# Altium PCB SX-SCPCB-015.PCB-V1.1_信号显示D类功放PCB板.PcbDoc (part 2 of 2)
Units mil, origin at the board's own origin, x right, y up, seen from the top; angles counter-clockwise.
Board outline 9212.6 x 3779.53 mil, 2 copper layers (Top Layer, Bottom Layer); 144 components, 77 nets, 427 pads, 5 vias.
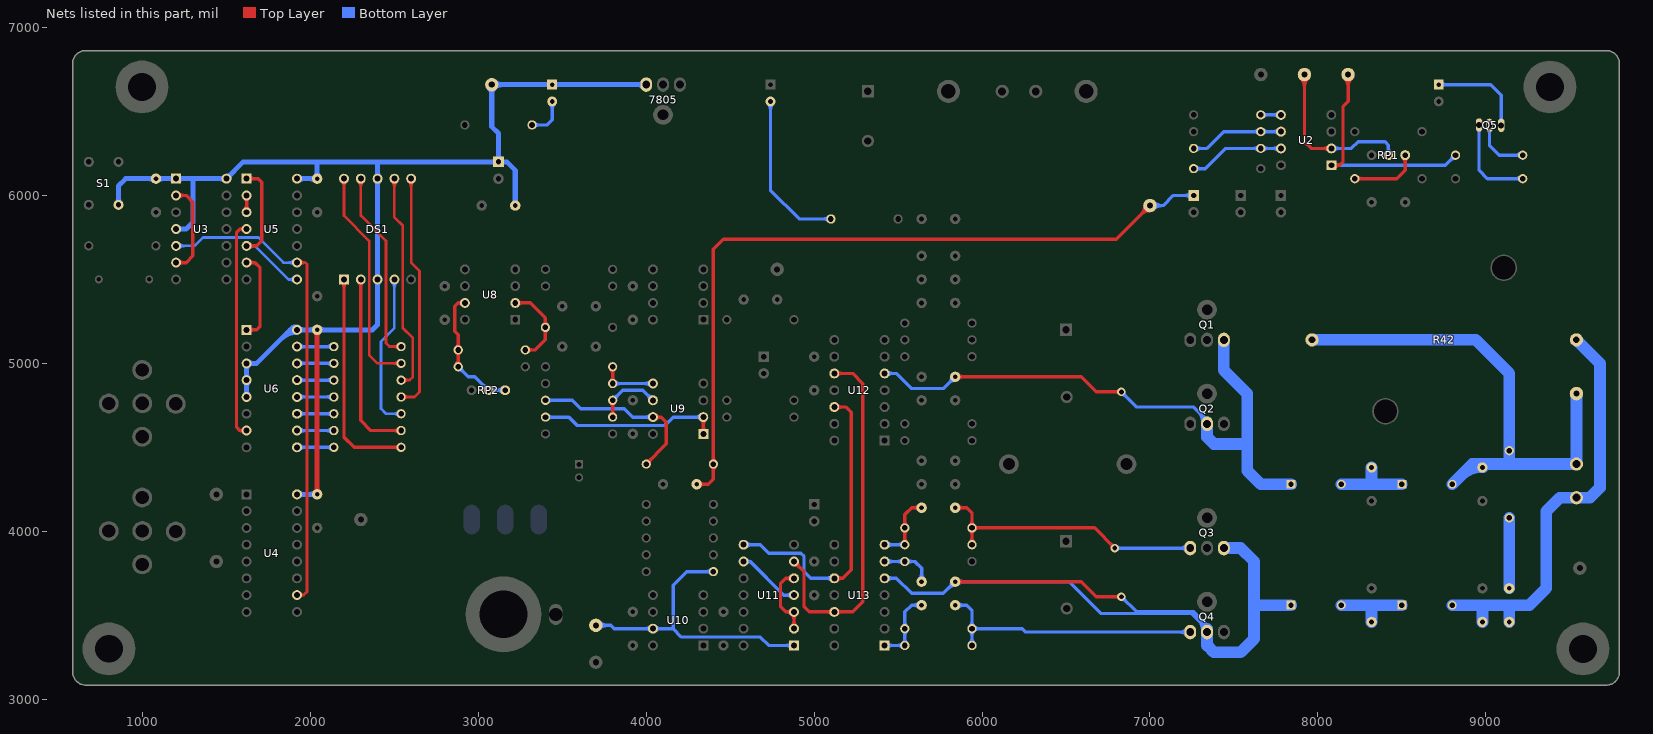
[diagram p2: the nets of this part, all layers, seen from the top]

## Via types
v1: diameter 50, hole 28, Top Layer to Bottom Layer, 5 vias

## Nets (pads, with @x,y where several pads share a name; then routed paths per layer and width w, separated by ;. In a path a pad name is that pad's centre, name@x,y a point inside that pad or via, vN(x,y) a via of type N, cw(c..) or ccw(c..) an arc to the next point about the centre after c; other vN are vias at no path point) (continued)
NetC34_1: C34.1 D8.2 R39.1 U13.7 | length 836.6
  Top Layer w20: D8.2@5527.58,3932.42 ccw(c5497.61,3962.39) 5540,3962.39 ccw(c5582.39,3962.39) D8.2@5552.42,3932.42 ; R39.1@5527.58,4007.58 cw(c5497.61,3977.61) 5540,3977.61 cw(c5582.39,3977.61) R39.1@5552.42,4007.58 ; R39.1@5527.58,4032.42 ccw(c5497.61,4062.39) 5540,4062.39 ccw(c5582.39,4062.39) R39.1@5552.42,4032.42 ; D8.2@5540,3920 5540,4100 5580,4140 C34.1@5640,4140 ; C34.1@5625.15,4125.15 ccw(c5589.3,4089.3) 5589.3,4140 ccw(c5589.3,4190.7) C34.1@5625.15,4154.85
  Bottom Layer w20: U13.7@5420,3920 D8.2@5540,3920 ; U13.7@5433.81,3906.19 cw(c5467.14,3872.86) 5467.14,3920 cw(c5467.14,3967.14) U13.7@5433.81,3933.81 ; D8.2@5527.58,3907.58 ccw(c5497.61,3877.61) 5497.61,3920 ccw(c5497.61,3962.39) D8.2@5527.58,3932.42
NetC34_2: C34.2 D8.1 Q3.1 R39.2 | length 2208.3
  Top Layer w20: C34.2@5840,4140 5910,4140 5940,4110 D8.1@5940,3920 ; C34.2@5854.85,4125.15 cw(c5890.7,4089.3) 5890.7,4140 cw(c5890.7,4190.7) C34.2@5854.85,4154.85 ; D8.1@5927.58,3932.42 ccw(c5897.61,3962.39) 5940,3962.39 ccw(c5982.39,3962.39) D8.1@5952.42,3932.42 ; R39.2@5927.58,4007.58 cw(c5897.61,3977.61) 5940,3977.61 cw(c5982.39,3977.61) 5952.42,4007.58 cw(c5982.39,3977.61) 5982.39,4020 cw(c5982.39,4062.39) 5952.42,4032.42 cw(c5982.39,4062.39) 5940,4062.39 cw(c5897.61,4062.39) R39.2@5927.58,4032.42 ; R39.2@5940,4020 6670,4020 v1(6790,3900) ; v1@6775,3900 ccw(c6738.79,3900) 6764.39,3925.61 ccw(c6790,3951.21) v1@6790,3915
  Bottom Layer w20: v1(6790,3900) Q3.1@7240,3900 ; v1@6800.61,3889.39 cw(c6826.21,3863.79) 6826.21,3900 cw(c6826.21,3936.21) v1@6800.61,3910.61 ; Q3.1@7222.02,3882.02 ccw(c7178.6,3838.6) 7178.6,3900 ccw(c7178.6,3961.4) Q3.1@7222.02,3917.98
NetC35_1: C35.1 D9.2 U13.6 | length 603.4
  Bottom Layer w20: U13.6@5420,3820 5600,3820 5640,3780 C35.1@5640,3700 ; U13.6@5433.81,3806.19 cw(c5467.14,3772.86) 5467.14,3820 cw(c5467.14,3867.14) U13.6@5433.81,3833.81 ; D9.2@5527.58,3807.58 ccw(c5497.61,3777.61) 5497.61,3820 ccw(c5497.61,3862.39) D9.2@5527.58,3832.42 ; D9.2@5552.42,3807.58 cw(c5582.39,3777.61) 5582.39,3820 cw(c5582.39,3862.39) D9.2@5552.42,3832.42 ; C35.1@5625.15,3714.85 ccw(c5589.3,3750.7) 5640,3750.7 ccw(c5690.7,3750.7) C35.1@5654.85,3714.85
NetC36_1: C36.1 D10.2 R40.1 U13.1 | length 856.6
  Bottom Layer w20: U13.1@5420,3320 R40.1@5540,3320 5540,3520 5580,3560 C36.1@5640,3560 ; U13.1@5433.81,3306.19 cw(c5467.14,3272.86) 5467.14,3320 cw(c5467.14,3367.14) U13.1@5433.81,3333.81 ; R40.1@5527.58,3307.58 ccw(c5497.61,3277.61) 5497.61,3320 ccw(c5497.61,3362.39) 5527.58,3332.42 ccw(c5497.61,3362.39) 5540,3362.39 ccw(c5582.39,3362.39) R40.1@5552.42,3332.42 ; D10.2@5527.58,3407.58 cw(c5497.61,3377.61) 5540,3377.61 cw(c5582.39,3377.61) D10.2@5552.42,3407.58 ; D10.2@5527.58,3432.42 ccw(c5497.61,3462.39) 5540,3462.39 ccw(c5582.39,3462.39) D10.2@5552.42,3432.42 ; C36.1@5625.15,3545.15 ccw(c5589.3,3509.3) 5589.3,3560 ccw(c5589.3,3610.7) C36.1@5625.15,3574.85
NetC36_2: C36.2 D10.1 Q4.1 R40.2 | length 2073.1
  Bottom Layer w20: C36.2@5840,3560 5910,3560 5940,3530 R40.2@5940,3320 ; C36.2@5854.85,3545.15 cw(c5890.7,3509.3) 5890.7,3560 cw(c5890.7,3610.7) C36.2@5854.85,3574.85 ; R40.2@5927.58,3332.42 ccw(c5897.61,3362.39) 5940,3362.39 ccw(c5982.39,3362.39) R40.2@5952.42,3332.42 ; D10.1@5927.58,3407.58 cw(c5897.61,3377.61) 5940,3377.61 cw(c5982.39,3377.61) 5952.42,3407.58 cw(c5982.39,3377.61) 5982.39,3420 cw(c5982.39,3462.39) 5952.42,3432.42 cw(c5982.39,3462.39) 5940,3462.39 cw(c5897.61,3462.39) D10.1@5927.58,3432.42 ; D10.1@5940,3420 6240,3420 6260,3400 Q4.1@7240,3400 ; Q4.1@7222.02,3382.02 ccw(c7178.6,3338.6) 7178.6,3400 ccw(c7178.6,3461.4) Q4.1@7222.02,3417.98
NetC46_1: C46.1 L1.2 L3.1 | length 460
  Bottom Layer w70: L1.2@8140,4280 L3.1@8500,4280 ; 8320,4280 C46.1@8320,4380
NetC47_1: C47.1 L2.2 L4.1 | length 460
  Bottom Layer w70: L2.2@8140,3560 L4.1@8500,3560 ; C47.1@8320,3460 8320,3560
NetC48_1: C48.1 JP2.2 L3.2 R41.1 R42.1 TP13.1 | length 3353.1
  Bottom Layer w70: R42.1@7965.2,5140 8940,5140 9140,4940 9140,4400 ; L3.2@8800,4280 8920,4400 JP2.2@9540,4400 TP13.1@9540,4820 ; 8850.26,4330.26 cw(c8980,4200.52) C48.1@8980,4384 ; 8880,4360 cw(c8949.84,4290.17) C48.1@8981.27,4383.79 ; 8941.37,4400 cw(c8941.37,4341.37) C48.1@8982.83,4382.83 ; C48.1@8977.17,4382.83 cw(c9018.63,4341.37) 9018.63,4400
NetC49_1: C49.1 C50.2 JP2.1 L4.2 R42.2 | length 2577.4
  Bottom Layer w70: L4.2@8800,3560 9260,3560 9360,3660 9360,4120 9440,4200 9620,4200 9680,4260 9680,5000 R42.2@9540,5140 ; C49.1@8980,3460 8980,3560 ; C50.2@9140,3460 9140,3560
NetC50_1: C50.1 R41.2 | length 420
  Bottom Layer w70: C50.1@9140,3660 R41.2@9140,4080
NetD1_2: D1.2 R1.2 | length 1101.1
  Bottom Layer w20: D1.2@4726.19,6546.19 cw(c4692.86,6512.86) 4740,6512.86 cw(c4787.14,6512.86) D1.2@4753.81,6546.19 ; D1.2@4740,6560 4740,6030 4910,5860 R1.2@5100,5860 ; R1.2@5087.58,5847.58 ccw(c5057.61,5817.61) 5057.61,5860 ccw(c5057.61,5902.39) R1.2@5087.58,5872.42
NetD2_2: D2.2 R2.2 | length 383.1
  Bottom Layer w20: R2.2@3320,6420 3410,6420 3440,6450 D2.2@3440,6560 ; R2.2@3332.42,6407.58 cw(c3362.39,6377.61) 3362.39,6420 cw(c3362.39,6462.39) R2.2@3332.42,6432.42 ; D2.2@3426.19,6546.19 cw(c3392.86,6512.86) 3440,6512.86 cw(c3487.14,6512.86) D2.2@3453.81,6546.19
NetD3_1: D3.1 R5.1 U2.7 | length 843.5
  Bottom Layer w20: D3.1@7260,6160 7330,6160 7450,6280 U2.7@7780,6280 ; D3.1@7272.42,6147.58 cw(c7302.39,6117.61) 7302.39,6160 cw(c7302.39,6202.39) D3.1@7272.42,6172.42 ; R5.1@7647.58,6267.58 ccw(c7617.61,6237.61) 7617.61,6280 ccw(c7617.61,6322.39) R5.1@7647.58,6292.42 ; R5.1@7672.42,6267.58 cw(c7702.39,6237.61) 7702.39,6280 cw(c7702.39,6322.39) R5.1@7672.42,6292.42 ; U2.7@7766.19,6266.19 ccw(c7732.86,6232.86) 7732.86,6280 ccw(c7732.86,6327.14) U2.7@7766.19,6293.81
NetD4_1: D4.1 Q5.3 | length 688.5
  Bottom Layer w20: D4.1@8720,6660 9030,6660 9092,6598 Q5.3@9092,6418 ; D4.1@8733.81,6646.19 cw(c8767.14,6612.86) 8767.14,6660 cw(c8767.14,6707.14) D4.1@8733.81,6673.81 ; Q5.3@9085.15,6444.53 ccw(c9068.62,6461.07) 9092,6461.07 ccw(c9115.38,6461.07) Q5.3@9098.85,6444.53
NetDS1_1: DS1.1 R15.2 | length 1445.5
  Top Layer w20: DS1.1@2186.19,5486.19 cw(c2152.86,5452.86) 2200,5452.86 cw(c2247.14,5452.86) DS1.1@2213.81,5486.19 ; DS1.1@2200,5500 2200,4560 2260,4500 R15.2@2540,4500 ; R15.2@2527.58,4487.58 ccw(c2497.61,4457.61) 2497.61,4500 ccw(c2497.61,4542.39) R15.2@2527.58,4512.42
NetDS1_2: DS1.2 R14.2 | length 1245.5
  Top Layer w20: DS1.2@2286.19,5486.19 cw(c2252.86,5452.86) 2300,5452.86 cw(c2347.14,5452.86) DS1.2@2313.81,5486.19 ; DS1.2@2300,5500 2300,4660 2360,4600 R14.2@2540,4600 ; R14.2@2527.58,4587.58 ccw(c2497.61,4557.61) 2497.61,4600 ccw(c2497.61,4642.39) R14.2@2527.58,4612.42
NetDS1_4: DS1.4 R13.2 | length 1091.4
  Bottom Layer w16: DS1.4@2484.78,5484.78 cw(c2448.03,5448.03) 2500,5448.03 cw(c2551.97,5448.03) DS1.4@2515.22,5484.78 ; DS1.4@2500,5500 2500,5210 2420,5130 2420,4730 2450,4700 R13.2@2540,4700 ; R13.2@2526.17,4686.17 ccw(c2492.78,4652.78) 2492.78,4700 ccw(c2492.78,4747.22) R13.2@2526.17,4713.83
NetDS1_6: DS1.6 R12.2 | length 1568.9
  Top Layer w16: R12.2@2540,4800 2620,4800 2650,4830 2650,5550 2600,5600 DS1.6@2600,6100 ; R12.2@2553.83,4786.17 cw(c2587.22,4752.78) 2587.22,4800 cw(c2587.22,4847.22) R12.2@2553.83,4813.83 ; DS1.6@2584.78,6084.78 cw(c2548.03,6048.03) 2600,6048.03 cw(c2651.97,6048.03) DS1.6@2615.22,6084.78
NetDS1_7: DS1.7 R11.2 | length 1459.7
  Top Layer w16: DS1.7@2484.78,6084.78 cw(c2448.03,6048.03) 2500,6048.03 cw(c2551.97,6048.03) DS1.7@2515.22,6084.78 ; DS1.7@2500,6100 2500,5870 2550,5820 2550,5210 2610,5150 2610,4920 2590,4900 R11.2@2540,4900 ; R11.2@2553.83,4886.17 cw(c2587.22,4852.78) 2587.22,4900 cw(c2587.22,4947.22) R11.2@2553.83,4913.83
NetDS1_9: DS1.9 R16.2 | length 1296.2
  Top Layer w16: DS1.9@2284.78,6084.78 cw(c2248.03,6048.03) 2300,6048.03 cw(c2351.97,6048.03) DS1.9@2315.22,6084.78 ; DS1.9@2300,6100 2300,5880 2450,5730 2450,5120 2470,5100 R16.2@2540,5100 ; R16.2@2526.17,5086.17 ccw(c2492.78,5052.78) 2492.78,5100 ccw(c2492.78,5147.22) R16.2@2526.17,5113.83
NetDS1_10: DS1.10 R17.2 | length 1478.7
  Top Layer w16: DS1.10@2184.78,6084.78 cw(c2148.03,6048.03) 2200,6048.03 cw(c2251.97,6048.03) DS1.10@2215.22,6084.78 ; DS1.10@2200,6100 2200,5880 2350,5730 2350,5050 2400,5000 R17.2@2540,5000 ; R17.2@2526.17,4986.17 ccw(c2492.78,4952.78) 2492.78,5000 ccw(c2492.78,5047.22) R17.2@2526.17,5013.83
NetQ5_1: Q5.1 R9.1 | length 654
  Bottom Layer w20: Q5.1@8953.15,6393.47 cw(c8936.62,6376.93) 8960,6376.93 cw(c8983.38,6376.93) Q5.1@8966.85,6393.47 ; Q5.1@8960,6420 8960,6150 9010,6100 R9.1@9220,6100 ; R9.1@9207.58,6087.58 ccw(c9177.61,6057.61) 9177.61,6100 ccw(c9177.61,6142.39) R9.1@9207.58,6112.42
NetQ5_2: Q5.2 R8.2 | length 445.3
  Bottom Layer w20: Q5.2@9015.15,6391.47 cw(c8998.62,6374.93) 9022,6374.93 cw(c9045.38,6374.93) Q5.2@9028.85,6391.47 ; Q5.2@9022,6418 9022,6298 9080,6240 R8.2@9220,6240 ; R8.2@9207.58,6227.58 ccw(c9177.61,6197.61) 9177.61,6240 ccw(c9177.61,6282.39) R8.2@9207.58,6252.42
NetR3_1: R3.1 R5.2 U2.6 | length 835.2
  Bottom Layer w20: R5.2@7260,6280 7340,6280 7440,6380 U2.6@7780,6380 ; R5.2@7272.42,6267.58 cw(c7302.39,6237.61) 7302.39,6280 cw(c7302.39,6322.39) R5.2@7272.42,6292.42 ; R3.1@7647.58,6367.58 ccw(c7617.61,6337.61) 7617.61,6380 ccw(c7617.61,6422.39) R3.1@7647.58,6392.42 ; R3.1@7672.42,6367.58 cw(c7702.39,6337.61) 7702.39,6380 cw(c7702.39,6422.39) R3.1@7672.42,6392.42 ; U2.6@7766.19,6366.19 ccw(c7732.86,6332.86) 7732.86,6380 ccw(c7732.86,6427.14) U2.6@7766.19,6393.81
NetR4_1: R4.1 U2.5 | length 260.6
  Bottom Layer w20: R4.1@7660,6480 U2.5@7780,6480 ; R4.1@7672.42,6467.58 cw(c7702.39,6437.61) 7702.39,6480 cw(c7702.39,6522.39) R4.1@7672.42,6492.42 ; U2.5@7766.19,6466.19 ccw(c7732.86,6432.86) 7732.86,6480 ccw(c7732.86,6527.14) U2.5@7766.19,6493.81
NetR7_1: R7.1 RP1.1 | length 551.4
  Top Layer w20: R7.1@8220,6100 8470,6100 8520,6150 RP1.1@8520,6240 ; R7.1@8232.42,6087.58 cw(c8262.39,6057.61) 8262.39,6100 cw(c8262.39,6142.39) R7.1@8232.42,6112.42 ; RP1.1@8506.19,6226.19 cw(c8472.86,6192.86) 8520,6192.86 cw(c8567.14,6192.86) RP1.1@8533.81,6226.19
NetR8_1: R8.1 TP7.1 U2.1 | length 1704
  Top Layer w20: U2.1@8080,6180 8130,6180 8150,6200 8150,6530 8180,6560 TP7.1@8180,6720 ; U2.1@8093.81,6166.19 cw(c8127.14,6132.86) 8127.14,6180 cw(c8127.14,6227.14) U2.1@8093.81,6193.81 ; TP7.1@8158.79,6698.79 cw(c8107.57,6647.57) 8180,6647.57 cw(c8252.43,6647.57) TP7.1@8201.21,6698.79
  Bottom Layer w20: U2.1@8080,6180 8760,6180 R8.1@8820,6240 ; U2.1@8093.81,6166.19 cw(c8127.14,6132.86) 8127.14,6180 cw(c8127.14,6227.14) U2.1@8093.81,6193.81 ; R8.1@8802.44,6240 cw(c8760.05,6240) 8790.02,6210.02 cw(c8820,6180.05) R8.1@8820,6222.44
NetR11_1: R11.1 U6.13 | length 360.6
  Bottom Layer w20: U6.13@1920,4900 R11.1@2140,4900 ; U6.13@1933.81,4886.19 cw(c1967.14,4852.86) 1967.14,4900 cw(c1967.14,4947.14) U6.13@1933.81,4913.81 ; R11.1@2127.58,4887.58 ccw(c2097.61,4857.61) 2097.61,4900 ccw(c2097.61,4942.39) R11.1@2127.58,4912.42
NetR12_1: R12.1 U6.12 | length 360.6
  Bottom Layer w20: U6.12@1920,4800 R12.1@2140,4800 ; U6.12@1933.81,4786.19 cw(c1967.14,4752.86) 1967.14,4800 cw(c1967.14,4847.14) U6.12@1933.81,4813.81 ; R12.1@2127.58,4787.58 ccw(c2097.61,4757.61) 2097.61,4800 ccw(c2097.61,4842.39) R12.1@2127.58,4812.42
NetR13_1: R13.1 U6.11 | length 360.6
  Bottom Layer w20: U6.11@1920,4700 R13.1@2140,4700 ; U6.11@1933.81,4686.19 cw(c1967.14,4652.86) 1967.14,4700 cw(c1967.14,4747.14) U6.11@1933.81,4713.81 ; R13.1@2127.58,4687.58 ccw(c2097.61,4657.61) 2097.61,4700 ccw(c2097.61,4742.39) R13.1@2127.58,4712.42
NetR14_1: R14.1 U6.10 | length 360.6
  Bottom Layer w20: U6.10@1920,4600 R14.1@2140,4600 ; U6.10@1933.81,4586.19 cw(c1967.14,4552.86) 1967.14,4600 cw(c1967.14,4647.14) U6.10@1933.81,4613.81 ; R14.1@2127.58,4587.58 ccw(c2097.61,4557.61) 2097.61,4600 ccw(c2097.61,4642.39) R14.1@2127.58,4612.42
NetR15_1: R15.1 U6.9 | length 360.6
  Bottom Layer w20: U6.9@1920,4500 R15.1@2140,4500 ; U6.9@1933.81,4486.19 cw(c1967.14,4452.86) 1967.14,4500 cw(c1967.14,4547.14) U6.9@1933.81,4513.81 ; R15.1@2127.58,4487.58 ccw(c2097.61,4457.61) 2097.61,4500 ccw(c2097.61,4542.39) R15.1@2127.58,4512.42
NetR16_1: R16.1 U6.15 | length 360.6
  Bottom Layer w20: U6.15@1920,5100 R16.1@2140,5100 ; U6.15@1933.81,5086.19 cw(c1967.14,5052.86) 1967.14,5100 cw(c1967.14,5147.14) U6.15@1933.81,5113.81 ; R16.1@2127.58,5087.58 ccw(c2097.61,5057.61) 2097.61,5100 ccw(c2097.61,5142.39) R16.1@2127.58,5112.42
NetR17_1: R17.1 U6.14 | length 360.6
  Bottom Layer w20: U6.14@1920,5000 R17.1@2140,5000 ; U6.14@1933.81,4986.19 cw(c1967.14,4952.86) 1967.14,5000 cw(c1967.14,5047.14) U6.14@1933.81,5013.81 ; R17.1@2127.58,4987.58 ccw(c2097.61,4957.61) 2097.61,5000 ccw(c2097.61,5042.39) R17.1@2127.58,5012.42
NetR20_1: R20.1 R22.1 U8.2 | length 765.5
  Top Layer w20: U8.2@3220,5360 3310,5360 3399.5,5270.5 3399.5,5139.5 3340,5080 R22.1@3280,5080 ; U8.2@3233.81,5346.19 cw(c3267.14,5312.86) 3267.14,5360 cw(c3267.14,5407.14) U8.2@3233.81,5373.81 ; R22.1@3292.42,5067.58 cw(c3322.39,5037.61) 3322.39,5080 cw(c3322.39,5122.39) R22.1@3292.42,5092.42 ; R20.1@3387.08,5202.08 cw(c3357.11,5172.11) 3399.5,5172.11 cw(c3441.89,5172.11) R20.1@3411.92,5202.08 ; R20.1@3387.08,5226.92 ccw(c3357.11,5256.89) 3399.5,5256.89 ccw(c3441.89,5256.89) R20.1@3411.92,5226.92
NetR21_2: R21.2 R22.2 RP2.2 RP2.3 U8.7 | length 1319.8
  Top Layer w20: R21.2@2867.58,4992.42 ccw(c2837.61,5022.39) 2880,5022.39 ccw(c2922.39,5022.39) R21.2@2892.42,4992.42 ; R22.2@2867.58,5067.58 cw(c2837.61,5037.61) 2880,5037.61 cw(c2922.39,5037.61) R22.2@2892.42,5067.58 ; R22.2@2867.58,5092.42 ccw(c2837.61,5122.39) 2880,5122.39 ccw(c2922.39,5122.39) R22.2@2892.42,5092.42 ; R21.2@2880,4980 2880,5170 2860,5190 2860,5340 2880,5360 ; U8.7@2904.6,5347.99 ccw(c2880,5328.8) 2880,5360 ; U8.7@2904.6,5372.01 cw(c2880,5391.2) 2880,5360 ; U8.7@2920,5360 2880,5360
  Bottom Layer w20: R21.2@2880,4962.44 cw(c2880,4920.05) 2909.98,4950.02 cw(c2939.95,4980) R21.2@2897.56,4980 ; R21.2@2880,4980 2940,4920 2980,4920 RP2.2@3060,4840 RP2.3@3160,4840 ; RP2.2@3040.47,4840 ccw(c2993.33,4840) 3026.66,4873.34 ccw(c3060,4906.67) RP2.2@3060,4859.53 ; RP2.2@3073.81,4826.19 cw(c3107.14,4792.86) 3107.14,4840 cw(c3107.14,4887.14) RP2.2@3073.81,4853.81 ; RP2.3@3146.19,4826.19 ccw(c3112.86,4792.86) 3112.86,4840 ccw(c3112.86,4887.14) RP2.3@3146.19,4853.81
NetR27_1: R27.1 U9.1 U9.2 | length 1370.2
  Top Layer w20: U9.1@4326.19,4593.81 ccw(c4292.86,4627.14) 4340,4627.14 ccw(c4387.14,4627.14) U9.1@4353.81,4593.81 ; U9.2@4326.19,4666.19 cw(c4292.86,4632.86) 4340,4632.86 cw(c4387.14,4632.86) U9.2@4353.81,4666.19 ; U9.1@4340,4580 U9.2@4340,4680
  Bottom Layer w16: 3590,4630 4110,4630
  Bottom Layer w20: R27.1@3400,4680 3540,4680 3590,4630 ; R27.1@3412.42,4667.58 cw(c3442.39,4637.61) 3442.39,4680 cw(c3442.39,4722.39) R27.1@3412.42,4692.42 ; 4110,4630 4160,4680 U9.2@4340,4680 ; U9.2@4326.19,4666.19 ccw(c4292.86,4632.86) 4292.86,4680 ccw(c4292.86,4727.14) U9.2@4326.19,4693.81
NetR27_2: R27.2 R30.1 U9.6 | length 663.5
  Top Layer w20: R27.2@3787.58,4692.42 ccw(c3757.61,4722.39) 3800,4722.39 ccw(c3842.39,4722.39) R27.2@3812.42,4692.42 ; R30.1@3787.58,4767.58 cw(c3757.61,4737.61) 3800,4737.61 cw(c3842.39,4737.61) R30.1@3812.42,4767.58 ; R27.2@3800,4680 R30.1@3800,4780
  Bottom Layer w20: R30.1@3800,4780 3860,4840 3980,4840 U9.6@4040,4780 ; R30.1@3800,4797.56 ccw(c3800,4839.95) 3829.98,4809.98 ccw(c3859.95,4780) R30.1@3817.56,4780 ; U9.6@4020.47,4780 ccw(c3973.33,4780) 4006.66,4813.34 ccw(c4040,4846.67) U9.6@4040,4799.53
NetR28_1: R28.1 R29.2 U9.5 | length 613.8
  Top Layer w20: R28.1@3787.58,4892.42 ccw(c3757.61,4922.39) 3800,4922.39 ccw(c3842.39,4922.39) R28.1@3812.42,4892.42 ; R29.2@3787.58,4967.58 cw(c3757.61,4937.61) 3800,4937.61 cw(c3842.39,4937.61) R29.2@3812.42,4967.58 ; R28.1@3800,4880 R29.2@3800,4980
  Bottom Layer w20: R28.1@3800,4880 U9.5@4040,4880 ; R28.1@3812.42,4867.58 cw(c3842.39,4837.61) 3842.39,4880 cw(c3842.39,4922.39) R28.1@3812.42,4892.42 ; U9.5@4026.19,4866.19 ccw(c3992.86,4832.86) 3992.86,4880 ccw(c3992.86,4927.14) U9.5@4026.19,4893.81
NetR30_2: R30.2 R31.1 U9.7 | length 1354.8
  Top Layer w20: R31.1@4000,4400 4120,4520 4120,4650 4090,4680 U9.7@4040,4680 ; R31.1@4000,4417.56 ccw(c4000,4459.95) 4029.98,4429.98 ccw(c4059.95,4400) R31.1@4017.56,4400 ; U9.7@4053.81,4666.19 cw(c4087.14,4632.86) 4087.14,4680 cw(c4087.14,4727.14) U9.7@4053.81,4693.81
  Bottom Layer w20: R30.2@3400,4780 3560,4780 3610,4730 3870,4730 3920,4680 U9.7@4040,4680 ; R30.2@3412.42,4767.58 cw(c3442.39,4737.61) 3442.39,4780 cw(c3442.39,4822.39) R30.2@3412.42,4792.42 ; U9.7@4026.19,4666.19 ccw(c3992.86,4632.86) 3992.86,4680 ccw(c3992.86,4727.14) U9.7@4026.19,4693.81
NetR36_1: R36.1 TP4.1 U10.7 U11.1 | length 2165.4
  Bottom Layer w16: 4210,3370 4680,3370
  Bottom Layer w20: TP4.1@3700,3440 3790,3440 3810,3420 4160,3420 ; TP4.1@3721.21,3418.79 cw(c3772.43,3367.57) 3772.43,3440 cw(c3772.43,3512.43) TP4.1@3721.21,3461.21 ; U10.7@4026.19,3406.19 ccw(c3992.86,3372.86) 3992.86,3420 ccw(c3992.86,3467.14) U10.7@4026.19,3433.81 ; U10.7@4053.81,3406.19 cw(c4087.14,3372.86) 4087.14,3420 cw(c4087.14,3467.14) U10.7@4053.81,3433.81 ; 4210,3370 4160,3420 ; R36.1@4387.58,3747.58 ccw(c4357.61,3717.61) 4357.61,3760 ccw(c4357.61,3802.39) R36.1@4387.58,3772.42 ; R36.1@4400,3760 4240,3760 4160,3680 4160,3420 ; 4680,3370 4730,3320 U11.1@4880,3320 ; U11.1@4866.19,3306.19 ccw(c4832.86,3272.86) 4832.86,3320 ccw(c4832.86,3367.14) U11.1@4866.19,3333.81
NetRP1_2: RP1.2 TP6.1 U2.2 | length 1337.3
  Top Layer w20: TP6.1@7898.79,6698.79 cw(c7847.57,6647.57) 7920,6647.57 cw(c7992.43,6647.57) TP6.1@7941.21,6698.79 ; TP6.1@7920,6720 7920,6320 7960,6280 U2.2@8080,6280 ; U2.2@8066.19,6266.19 ccw(c8032.86,6232.86) 8032.86,6280 ccw(c8032.86,6327.14) U2.2@8066.19,6293.81
  Bottom Layer w20: U2.2@8080,6280 8200,6280 8240,6320 8400,6320 8420,6300 RP1.2@8420,6240 ; U2.2@8093.81,6266.19 cw(c8127.14,6232.86) 8127.14,6280 cw(c8127.14,6327.14) U2.2@8093.81,6293.81 ; RP1.2@8406.19,6253.81 ccw(c8372.86,6287.14) 8420,6287.14 ccw(c8467.14,6287.14) RP1.2@8433.81,6253.81
NetU3_2: U3.2 U3.6 | length 701.2
  Top Layer w20: U3.6@1200,5600 1260,5600 1300,5640 1300,5960 1260,6000 U3.2@1200,6000 ; U3.6@1213.81,5586.19 cw(c1247.14,5552.86) 1247.14,5600 cw(c1247.14,5647.14) U3.6@1213.81,5613.81 ; U3.2@1213.81,5986.19 cw(c1247.14,5952.86) 1247.14,6000 cw(c1247.14,6047.14) U3.2@1213.81,6013.81
NetU3_5: U3.5 U4.10 U5.9 | length 3177.6
  Top Layer w16: U4.10@1920,3620 1960,3620 ; U5.9@1920,5600 1970,5600 ; U5.9@1935.64,5585.21 cw(c1970,5552.71) 1970,5600 ; U5.9@1935.64,5614.79 ccw(c1970,5647.29) 1970,5600 ; U4.10@1937.97,3608.14 cw(c1960,3593.6) 1960,3620 ; U4.10@1937.97,3631.86 ccw(c1960,3646.4) 1960,3620 ; 1960,3620 1980,3640 1980,5590 1970,5600
  Bottom Layer w16: U3.5@1200,5700 1310,5700 1360,5750 1690,5750 1840,5600 U5.9@1920,5600 ; U3.5@1215.22,5684.78 cw(c1251.97,5648.03) 1251.97,5700 cw(c1251.97,5751.97) U3.5@1215.22,5715.22 ; U5.9@1904.78,5584.78 ccw(c1868.03,5548.03) 1868.03,5600 ccw(c1868.03,5651.97) U5.9@1904.78,5615.22
NetU5_1: U5.1 U5.5 U5.8 | length 1235.5
  Top Layer w20: U5.5@1620,5700 1680,5700 1710,5730 1710,6080 1690,6100 U5.1@1620,6100 ; U5.5@1633.81,5686.19 cw(c1667.14,5652.86) 1667.14,5700 cw(c1667.14,5747.14) U5.5@1633.81,5713.81 ; U5.1@1633.81,6086.19 cw(c1667.14,6052.86) 1667.14,6100 cw(c1667.14,6147.14) U5.1@1633.81,6113.81
  Bottom Layer w16: U5.5@1620,5700 1670,5700 ; U5.5@1635.64,5685.21 cw(c1670,5652.71) 1670,5700 ; U5.5@1635.64,5714.79 ccw(c1670,5747.29) 1670,5700 ; U5.8@1904.36,5485.21 ccw(c1870,5452.71) 1870,5500 ; U5.8@1904.36,5514.79 cw(c1870,5547.29) 1870,5500 ; U5.8@1920,5500 1870,5500 ; 1670,5700 1870,5500
NetU5_2: U5.2 U5.3 | length 248.1
  Top Layer w20: U5.3@1606.19,5913.81 ccw(c1572.86,5947.14) 1620,5947.14 ccw(c1667.14,5947.14) U5.3@1633.81,5913.81 ; U5.2@1606.19,5986.19 cw(c1572.86,5952.86) 1620,5952.86 cw(c1667.14,5952.86) U5.2@1633.81,5986.19 ; U5.3@1620,5900 U5.2@1620,6000
NetU5_4: U5.4 U6.7 | length 1409.9
  Top Layer w20: U6.7@1604.6,4587.99 ccw(c1580,4568.8) 1580,4600 ; U6.7@1604.6,4612.01 cw(c1580,4631.2) 1580,4600 ; U5.4@1604.6,5787.99 ccw(c1580,5768.8) 1580,5800 ; U5.4@1604.6,5812.01 cw(c1580,5831.2) 1580,5800 ; U6.7@1620,4600 1580,4600 ; U5.4@1620,5800 1580,5800 ; 1580,4600 1560,4620 1560,5780 1580,5800
NetU5_6: U5.6 U6.1 | length 678.8
  Top Layer w20: U6.1@1620,5200 1680,5200 1700,5220 1700,5570 1670,5600 U5.6@1620,5600 ; U6.1@1633.81,5186.19 cw(c1667.14,5152.86) 1667.14,5200 cw(c1667.14,5247.14) U6.1@1633.81,5213.81 ; U5.6@1633.81,5586.19 cw(c1667.14,5552.86) 1667.14,5600 cw(c1667.14,5647.14) U5.6@1633.81,5613.81
NetU11_2: U11.2 U11.3 U11.5 | length 721.1
  Top Layer w20: U11.2@4866.19,3433.81 ccw(c4832.86,3467.14) 4880,3467.14 ccw(c4927.14,3467.14) U11.2@4893.81,3433.81 ; U11.3@4866.19,3533.81 cw(c4832.86,3567.14) 4832.86,3520 cw(c4832.86,3472.86) 4866.19,3506.19 cw(c4832.86,3472.86) 4880,3472.86 cw(c4927.14,3472.86) U11.3@4893.81,3506.19 ; U11.5@4866.19,3706.19 ccw(c4832.86,3672.86) 4832.86,3720 ccw(c4832.86,3767.14) U11.5@4866.19,3733.81 ; U11.2@4880,3420 U11.3@4880,3520 4830,3520 4800,3550 4800,3690 4830,3720 U11.5@4880,3720
NetU11_4: U11.4 U11.9 | length 513.6
  Bottom Layer w20: U11.9@4580,3820 4620,3820 ; U11.9@4595.4,3807.99 cw(c4620,3788.8) 4620,3820 ; U11.9@4595.4,3832.01 ccw(c4620,3851.2) 4620,3820 ; U11.4@4866.19,3606.19 ccw(c4832.86,3572.86) 4832.86,3620 ccw(c4832.86,3667.14) U11.4@4866.19,3633.81 ; U11.4@4880,3620 4820,3620 4620,3820
OUT1: C30.2 L1.1 Q1.3 Q2.2 U12.5 | length 4025.2
  Top Layer w20: C30.2@5840,4920 6590,4920 6680,4830 v1(6830,4830) ; C30.2@5854.85,4905.15 cw(c5890.7,4869.3) 5890.7,4920 cw(c5890.7,4970.7) C30.2@5854.85,4934.85 ; v1@6819.39,4819.39 ccw(c6793.79,4793.79) 6793.79,4830 ccw(c6793.79,4866.21) v1@6819.39,4840.61
  Bottom Layer w20: U12.5@5420,4940 5490,4940 5580,4850 5770,4850 C30.2@5840,4920 ; U12.5@5433.81,4926.19 cw(c5467.14,4892.86) 5467.14,4940 cw(c5467.14,4987.14) U12.5@5433.81,4953.81 ; C30.2@5819,4920 cw(c5768.3,4920) 5804.15,4884.15 cw(c5840,4848.3) C30.2@5840,4899 ; v1@6830,4815 cw(c6830,4778.79) 6855.61,4804.39 cw(c6881.21,4830) v1@6845,4830 ; v1(6830,4830) 6920,4740 7260,4740 7340,4660 Q2.2@7340,4640 ; 7288.01,4711.99 cw(c7223.89,4647.87) Q2.2@7314.57,4647.87 ; 7317.28,4682.72 ccw(c7340,4705.43) Q2.2@7340,4673.31
  Bottom Layer w70: Q2.2@7340,4640 7340,4560 7380,4520 7580,4520 ; Q1.3@7440,5140 7440,4960 7580,4820 7580,4360 7660,4280 L1.1@7840,4280
OUT2: C35.2 L2.1 Q3.3 Q4.2 U13.5 | length 5836.3
  Top Layer w20: C35.2@5840,3700 6590,3700 6680,3610 v1(6830,3610) ; C35.2@5854.85,3685.15 cw(c5890.7,3649.3) 5890.7,3700 cw(c5890.7,3750.7) C35.2@5854.85,3714.85 ; v1@6819.39,3599.39 ccw(c6793.79,3573.79) 6793.79,3610 ccw(c6793.79,3646.21) v1@6819.39,3620.61
  Bottom Layer w20: U13.5@5420,3720 5490,3720 5580,3630 5770,3630 C35.2@5840,3700 6520,3700 6710,3510 7250,3510 Q4.2@7340,3420 ; U13.5@5433.81,3706.19 cw(c5467.14,3672.86) 5467.14,3720 cw(c5467.14,3767.14) U13.5@5433.81,3733.81 ; C35.2@5819,3700 cw(c5768.3,3700) 5804.15,3664.15 cw(c5840,3628.3) C35.2@5840,3679 ; C35.2@5854.85,3685.15 cw(c5890.7,3649.3) 5890.7,3700 cw(c5890.7,3750.7) C35.2@5854.85,3714.85 ; v1@6830,3595 cw(c6830,3558.79) 6855.61,3584.39 cw(c6881.21,3610) v1@6845,3610 ; v1(6830,3610) 6920,3520 7260,3520 7340,3440 Q4.2@7340,3420 ; 7273.87,3506.13 cw(c7175.61,3407.87) 7314.57,3407.87 ccw(c7223.89,3407.87) 7288.01,3471.99 ; 7308.01,3471.99 cw(c7243.89,3407.87) Q4.2@7334.57,3407.87 ; 7317.28,3442.72 ccw(c7340,3465.43) Q4.2@7340,3433.31 ; Q4.2@7340,3400 Q4.2@7340,3420
  Bottom Layer w70: 7340,3340 Q4.2@7340,3420 ; Q4.2@7340,3400 7340,3320 7380,3280 7540,3280 7620,3360 7620,3820 7540,3900 Q3.3@7440,3900 ; 7620,3560 L2.1@7840,3560
"PWM A": U11.6 U12.10 U13.12 | length 2473.2
  Top Layer w20: U11.6@4880,3800.47 cw(c4880,3753.33) 4913.34,3786.66 cw(c4946.67,3820) U11.6@4899.53,3820 ; U11.6@4880,3820 4940,3760 4940,3550 4970,3520 5230,3520 5290,3580 5290,4880 5230,4940 U12.10@5120,4940 ; U13.12@5106.19,3506.19 ccw(c5072.86,3472.86) 5072.86,3520 ccw(c5072.86,3567.14) U13.12@5106.19,3533.81 ; U13.12@5133.81,3506.19 cw(c5167.14,3472.86) 5167.14,3520 cw(c5167.14,3567.14) U13.12@5133.81,3533.81 ; U12.10@5133.81,4926.19 cw(c5167.14,4892.86) 5167.14,4940 cw(c5167.14,4987.14) U12.10@5133.81,4953.81
"PWM B": U11.8 U12.12 U13.10 | length 2144.9
  Top Layer w20: U13.10@5120,3720 5170,3720 5220,3770 5220,4710 5190,4740 U12.12@5120,4740 ; U13.10@5133.81,3706.19 cw(c5167.14,3672.86) 5167.14,3720 cw(c5167.14,3767.14) U13.10@5133.81,3733.81 ; U12.12@5133.81,4726.19 cw(c5167.14,4692.86) 5167.14,4740 cw(c5167.14,4787.14) U12.12@5133.81,4753.81
  Bottom Layer w20: U11.8@4580,3920 4680,3920 4730,3870 4920,3870 4940,3850 4940,3760 4980,3720 U13.10@5120,3720 ; U11.8@4593.81,3906.19 cw(c4627.14,3872.86) 4627.14,3920 cw(c4627.14,3967.14) U11.8@4593.81,3933.81 ; U13.10@5106.19,3706.19 ccw(c5072.86,3672.86) 5072.86,3720 ccw(c5072.86,3767.14) U13.10@5106.19,3733.81
SING_D: C6.1 C19.1 R31.2 TP2.1 | length 4996.8
  Top Layer w20: C19.1@4300,4280 4370,4280 4400,4310 4400,5680 4460,5740 6800,5740 TP2.1@7000,5940 ; C19.1@4314.85,4265.15 cw(c4350.7,4229.3) 4350.7,4280 cw(c4350.7,4330.7) C19.1@4314.85,4294.85 ; R31.2@4387.58,4387.58 cw(c4357.61,4357.61) 4400,4357.61 cw(c4442.39,4357.61) R31.2@4412.42,4387.58 ; R31.2@4387.58,4412.42 ccw(c4357.61,4442.39) 4400,4442.39 ccw(c4442.39,4442.39) R31.2@4412.42,4412.42 ; TP2.1@6970,5940 cw(c6897.57,5940) 6948.79,5888.79 cw(c7000,5837.57) TP2.1@7000,5910
  Bottom Layer w20: TP2.1@7000,5940 7080,5940 7140,6000 C6.1@7260,6000 ; TP2.1@7021.21,5918.79 cw(c7072.43,5867.57) 7072.43,5940 cw(c7072.43,6012.43) TP2.1@7021.21,5961.21 ; C6.1@7244.8,5984.8 ccw(c7208.1,5948.1) 7208.1,6000 ccw(c7208.1,6051.9) C6.1@7244.8,6015.2
VCC: 7805.3 "TP8 +5V.1" C4.1 C5.2 C20.2 C21.2 C22.2 C23.2 D2.1 DS1.3 DS1.8 S1.1 U3.1 U3.4 U3.14 U4.16 U5.14 U6.3 U6.4 U6.5 U6.16 | length 10364.5
  Top Layer w30: C23.2@2028.69,4231.31 ccw(c2001.37,4258.63) 2040,4258.63 ccw(c2078.63,4258.63) C23.2@2051.31,4231.31 ; C22.2@2028.69,5188.69 cw(c2001.37,5161.37) 2040,5161.37 cw(c2078.63,5161.37) C22.2@2051.31,5188.69 ; C23.2@2040,4220 C22.2@2040,5200
  Bottom Layer w30: S1.1@846.56,5954.7 ccw(c820.95,5980.31) 857.17,5980.31 ccw(c893.38,5980.31) S1.1@867.77,5954.7 ; S1.1@857.16,5944.09 857.16,6057.16 900,6100 U3.14@1500,6100 1600,6200 3170,6200 3220,6150 C5.2@3220,5940 ; C20.2@1068.69,6088.69 ccw(c1041.37,6061.37) 1041.37,6100 ccw(c1041.37,6138.63) C20.2@1068.69,6111.31 ; C20.2@1091.31,6088.69 cw(c1118.63,6061.37) 1118.63,6100 cw(c1118.63,6138.63) C20.2@1091.31,6111.31 ; U3.1@1189.73,6089.73 ccw(c1164.93,6064.93) 1164.93,6100 ccw(c1164.93,6135.07) U3.1@1189.73,6110.27 ; U3.4@1200,5800 1260,5800 1300,5840 1300,6100 ; U3.4@1210.27,5789.73 cw(c1235.07,5764.93) 1235.07,5800 cw(c1235.07,5835.07) U3.4@1210.27,5810.27 ; U3.1@1210.27,6089.73 cw(c1235.07,6064.93) 1235.07,6100 cw(c1235.07,6135.07) U3.1@1210.27,6110.27 ; U3.14@1489.73,6089.73 ccw(c1464.93,6064.93) 1464.93,6100 ccw(c1464.93,6135.07) U3.14@1489.73,6110.27 ; U3.14@1500,6114.53 ccw(c1500,6149.6) 1524.8,6124.8 ccw(c1549.6,6100) U3.14@1514.53,6100 ; U6.5@1609.73,4810.27 ccw(c1584.93,4835.07) 1620,4835.07 ccw(c1655.07,4835.07) U6.5@1630.27,4810.27 ; U6.4@1609.73,4889.73 cw(c1584.93,4864.93) 1620,4864.93 cw(c1655.07,4864.93) U6.4@1630.27,4889.73 ; U6.4@1609.73,4910.27 ccw(c1584.93,4935.07) 1620,4935.07 ccw(c1655.07,4935.07) U6.4@1630.27,4910.27 ; U6.3@1609.73,4989.73 cw(c1584.93,4964.93) 1620,4964.93 cw(c1655.07,4964.93) 1630.27,4989.73 cw(c1655.07,4964.93) 1655.07,5000 cw(c1655.07,5035.07) U6.3@1630.27,5010.27 ; U6.5@1620,4800 U6.3@1620,5000 1680,5000 1880,5200 2370,5200 2400,5230 2400,6200 ; 1826.92,5146.92 cw(c1920,5053.83) U6.16@1920,5185.47 ; 1860,5180 cw(c1891.29,5148.71) U6.16@1912.9,5187.32 ; 1878.13,5198.13 cw(c1920,5156.26) U6.16@1920,5215.47 ; 1888.03,5208.03 cw(c1911.41,5184.65) U6.16@1927.56,5213.5 ; U6.16@1909.73,5189.73 ccw(c1884.93,5164.93) 1884.93,5200 ccw(c1884.93,5235.07) U6.16@1909.73,5210.27 ; U4.16@1920,4220 C23.2@2040,4220 ; U5.14@1920,6100 C21.2@2040,6100 2040,6200 ; U4.16@1930.27,4209.73 cw(c1955.07,4184.93) 1955.07,4220 cw(c1955.07,4255.07) U4.16@1930.27,4230.27 ; U6.16@1930.27,5189.73 cw(c1955.07,5164.93) 1955.07,5200 cw(c1955.07,5235.07) U6.16@1930.27,5210.27 ; U5.14@1930.27,6089.73 cw(c1955.07,6064.93) 1955.07,6100 cw(c1955.07,6135.07) U5.14@1930.27,6110.27 ; C23.2@2028.69,4208.69 ccw(c2001.37,4181.37) 2001.37,4220 ccw(c2001.37,4258.63) C23.2@2028.69,4231.31 ; C22.2@2028.69,5188.69 ccw(c2001.37,5161.37) 2001.37,5200 ccw(c2001.37,5238.63) C22.2@2028.69,5211.31 ; C21.2@2028.69,6088.69 ccw(c2001.37,6061.37) 2001.37,6100 ccw(c2001.37,6138.63) 2028.69,6111.31 ccw(c2001.37,6138.63) 2040,6138.63 ccw(c2078.63,6138.63) C21.2@2051.31,6111.31 ; C22.2@2051.31,5188.69 cw(c2078.63,5161.37) 2078.63,5200 cw(c2078.63,5238.63) C22.2@2051.31,5211.31 ; DS1.3@2389.73,5489.73 cw(c2364.93,5464.93) 2400,5464.93 cw(c2435.07,5464.93) DS1.3@2410.27,5489.73 ; DS1.3@2389.73,5510.27 ccw(c2364.93,5535.07) 2400,5535.07 ccw(c2435.07,5535.07) DS1.3@2410.27,5510.27 ; DS1.8@2389.73,6089.73 cw(c2364.93,6064.93) 2400,6064.93 cw(c2435.07,6064.93) DS1.8@2410.27,6089.73 ; DS1.8@2389.73,6110.27 ccw(c2364.93,6135.07) 2400,6135.07 ccw(c2435.07,6135.07) DS1.8@2410.27,6110.27 ; 3062.32,6642.32 cw(c3019.64,6599.64) 3080,6599.64 cw(c3140.36,6599.64) 3097.68,6642.32 cw(c3140.36,6599.64) 3140.36,6660 cw(c3140.36,6720.36) 3097.68,6677.68 ; 3080,6660 3080,6410 3120,6370 C4.1@3120,6200 ; 3090,6660 7805.3@4000,6660 ; C4.1@3108.34,6188.34 ccw(c3080.18,6160.18) 3080.18,6200 ccw(c3080.18,6239.82) 3108.34,6211.66 ccw(c3080.18,6239.82) 3120,6239.82 ccw(c3159.82,6239.82) 3131.66,6211.66 ccw(c3159.82,6239.82) 3159.82,6200 ccw(c3159.82,6160.18) C4.1@3131.66,6188.34 ; C5.2@3208.69,5951.31 ccw(c3181.37,5978.63) 3220,5978.63 ccw(c3258.63,5978.63) C5.2@3231.31,5951.31 ; D2.1@3429.73,6649.73 ccw(c3404.93,6624.93) 3404.93,6660 ccw(c3404.93,6695.07) D2.1@3429.73,6670.27 ; D2.1@3450.27,6649.73 cw(c3475.07,6624.93) 3475.07,6660 cw(c3475.07,6695.07) D2.1@3450.27,6670.27 ; 7805.3@3985.55,6645.55 ccw(c3950.67,6610.67) 3950.67,6660 ccw(c3950.67,6709.33) 7805.3@3985.55,6674.45
pads on no net: 7805.0 DS1.5 Q1.0 Q2.0 Q3.0 Q4.0 R42.0 RP4.0 S1.3 S1.4 U3.8 U3.9 U3.10 U3.11 U3.12 U3.13 U4.2 U4.4 U4.11 U4.12 U4.13 U4.14 U4.15 U5.10 U5.11 U5.12 U5.13 U7.5 U7.6 U7.7 U8.5 U8.6 U10.5 U10.6 U11.10 U11.11 U11.12 U11.13 U12.4 U12.8 U12.14 U13.4 U13.8 U13.14

## Polygon pours and split planes (outlines as drawn)
GND on Top Layer "T" (solid, remove dead copper, pour order 1000): 663.46,3083.46 cw(c663.46,3163.46) 583.46,3163.46 583.46,6784.25 cw(c662.2,6784.25) 662.2,6862.99 662.21,6862.99 9717.32,6862.99 cw(c9717.32,6784.25) 9796.06,6784.25 9796.06,3162.2 cw(c9717.32,3162.2) 9717.32,3083.46
GND on Bottom Layer "B" (solid, remove dead copper, pour order 1001): 663.46,3083.46 cw(c663.46,3163.46) 583.46,3163.46 583.46,6784.25 cw(c662.2,6784.25) 662.2,6862.99 662.21,6862.99 9717.32,6862.99 cw(c9717.32,6784.25) 9796.06,6784.25 9796.06,3162.2 cw(c9717.32,3162.2) 9717.32,3083.46

## Keep-outs
Keep-Out Layer:
  the board outline again, w10

## Other copper
Top Layer:
  pour cut-out: 8120,5730 8120,4550 9390,4550 9390,5740
  pour cut-out: 6985,3280 7675,3280 7675,4250 6985,4250
  pour cut-out: 6990,4530 7670,4530 7670,5500 6990,5500
  pour cut-out: 3765,6300 4455,6300 4455,6780 3765,6780

## Silkscreen, mask and mechanical layers (free items; w line width, h text height)
Top Overlay:
  lines w19.68: 2700,3083.46 2700,6862.99 ; 2700,5740 9796.06,5740 ; 6820,5740 6820,6860
  text "信号显示D类功放" at 1684.51,6640 h137.8
  text "SX-SCPCB-015.PCB-V1.1" at 1660,6520 h59.06
  text "+12V" at 6040,6270 h59.05
  text "GND" at 6280,6270 h59.05
  text "CH1" at 680,5080 h78.74
  text "OUT" at 9540,4580 h78.74
  text "CH2" at 660,3620 h78.74
Mechanical 1:
  text "板材:FR4  板厚:1.6mm  铜箔厚度:35um  表面处理:喷锡  丝印:绿油白字 单双面:双面" at 1030,7610 h196.85

## Text inside footprints (layer, text, board x,y; h text height)
C1: Top Overlay "+" at 5290.47,6845.39 h59.06 r270
C18: Top Overlay "+" at 3570.47,4515.87 h59.06 r270
C40: Top Overlay "+" at 6474,5502.36 h59.06 r270
C43: Top Overlay "+" at 6474,4242.36 h59.06 r270